# Allegro board 6089-119-RevA_41.brd (continued)
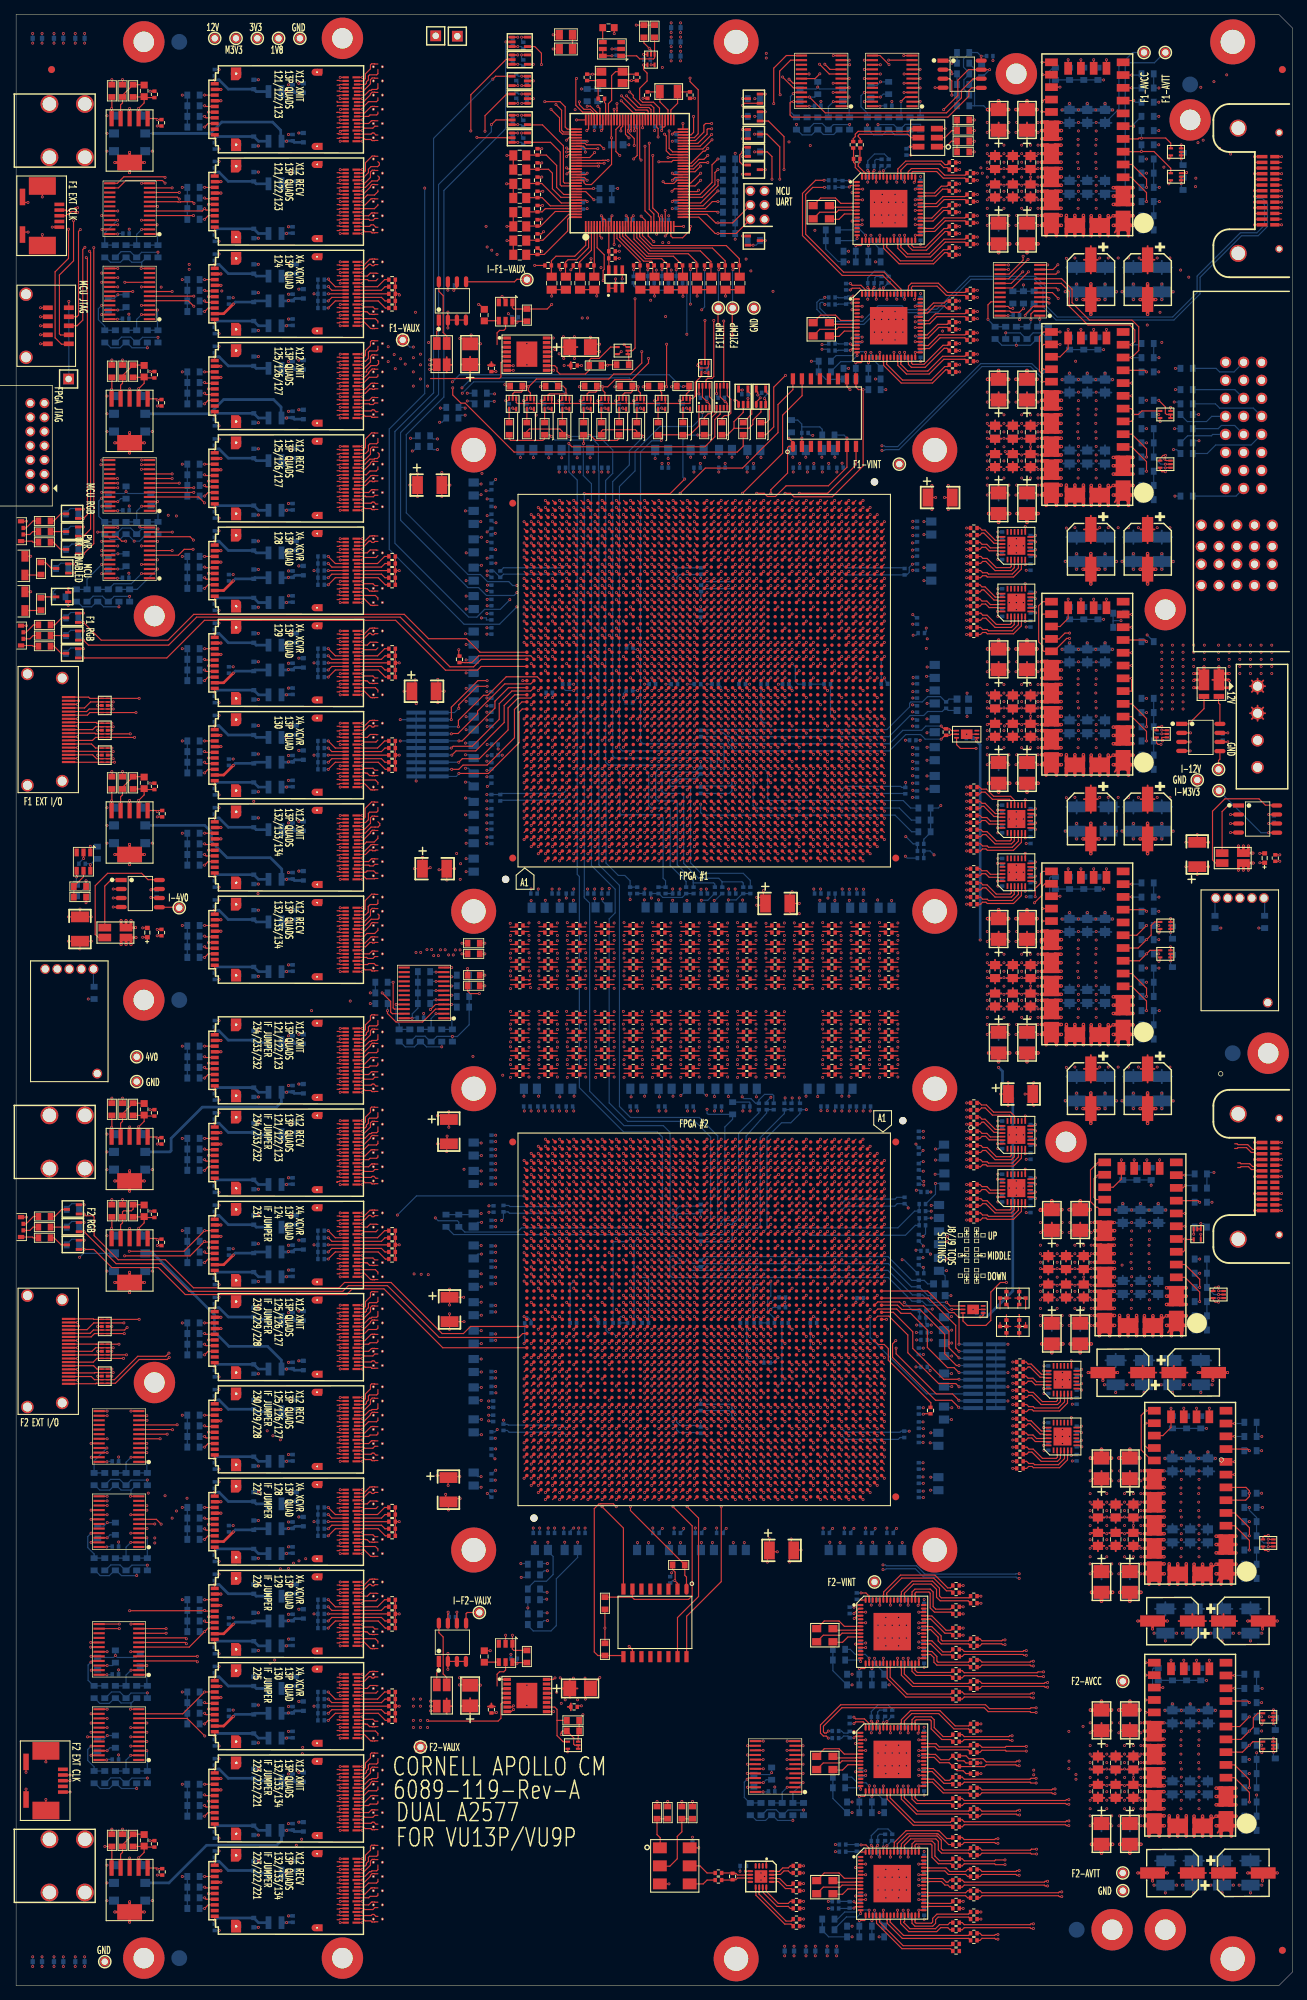
[diagram p0: board, top side]
## Routing (per net, layer and track width the routed paths; a pad name or vN(x,y) marks a point on that pad's centre or on a via; arc(x,y) is an arc through that point) (continued)
PMGT_SM_TO_F2_2: length 113.3
  TOP w0.165: 171.78,118.64 172.12,118.64 172.24,118.52 173.61,118.52 174.3,117.83 174.53,117.83 174.72,118.03 P3.4 ; U77.BF18 76.61,102.29
  SIG3 w0.083: 171.78,118.64 171.74,118.6 arc(171.51,118.45) 171.25,118.4 168.21,118.4 168.11,118.5 167.78,118.5 167.68,118.4 167.35,118.4 167.25,118.5 166.92,118.5 166.82,118.4 166.49,118.4 166.39,118.5 166.06,118.5 165.96,118.4 165.63,118.4 165.53,118.5 165.2,118.5 165.1,118.4 164.77,118.4 164.67,118.5 164.34,118.5 164.24,118.4 163.91,118.4 163.81,118.5 163.48,118.5 163.38,118.4 163.05,118.4 162.95,118.5 162.62,118.5 162.52,118.4 153.51,118.4 arc(152.48,118.2) 151.61,117.61 133.22,99.22 arc(132.87,98.98) 132.45,98.9 76.45,98.9 arc(76.27,98.97) 76.2,99.15 76.2,102.44 arc(76.27,102.62) 76.44,102.69 76.53,102.69 arc(76.58,102.66) 76.61,102.6 76.61,102.29
PTCDS_FROM_ZYNQ_A: length 106.3
  TOP w0.165: U75.BJ32 120.39,190.29 ; J8.8 141.4,98.36
  SIG4 w0.083: 120.39,190.29 120.39,190.6 arc(120.42,190.66) 120.47,190.69 120.56,190.69 arc(120.72,190.62) 120.79,190.45 120.79,190.1 arc(120.93,189.78) 121.25,189.64 123.05,189.64 arc(123.75,189.5) 124.35,189.1 132.06,181.39 arc(132.16,181.24) 132.2,181.06 132.2,160.53 arc(132.33,159.86) 132.71,159.29 134.19,157.81 arc(134.31,157.63) 134.35,157.42 134.35,102.75 arc(134.43,102.33) 134.67,101.98 138.57,98.08 arc(138.88,97.87) 139.25,97.8 140.21,97.8 arc(140.49,97.91) 140.6,98.19 140.6,98.27 arc(140.63,98.33) 140.69,98.36 141.4,98.36
PTCDS_FROM_ZYNQ_B: length 100.1
  TOP w0.165: U75.BJ20 120.39,177.51 ; J8.6 141.2,95.8 141.2,95.45
  SIG4 w0.083: 141.2,95.45 140.71,95.45 arc(140.65,95.47) 140.63,95.53 140.63,95.61 140.63,95.75 arc(140.44,96.21) 139.98,96.4 138.65,96.4 arc(138.05,96.52) 137.54,96.86 133.19,101.21 arc(132.61,102.09) 132.4,103.12 132.4,154.88 arc(131.97,157.02) 130.76,158.84 129.98,159.62 arc(129.41,160.47) 129.21,161.47 129.21,175.84 arc(129.07,176.53) 128.68,177.11 127.03,178.77 arc(126.66,179.01) 126.23,179.1 121.24,179.1 arc(121.19,179.09) 121.13,179.08 121.03,179.03 arc(120.95,178.99) 120.88,178.92 arc(120.82,178.8) 120.8,178.67 120.8,177.3 arc(120.79,177.26) 120.77,177.23 120.69,177.14 arc(120.65,177.12) 120.61,177.11 120.47,177.11 arc(120.42,177.14) 120.39,177.2 120.39,177.51
PTCDS_TO_ZYNQ_A: length 117.6
  TOP w0.165: 141.43,94.51 141.43,94.55 141.4,94.55 J9.8 ; U75.BJ37 120.39,195.29
  SIG4 w0.083: 141.43,94.51 141.43,94.55 140.7,94.55 arc(140.64,94.57) 140.62,94.63 140.62,94.8 arc(140.64,94.86) 140.7,94.88 141.55,94.88 arc(141.83,95) 141.95,95.28 141.95,96.9 arc(141.77,97.32) 141.35,97.5 138.65,97.5 arc(138.14,97.6) 137.71,97.89 134.1,101.5 arc(133.62,102.22) 133.45,103.07 133.45,154.93 arc(133.07,156.84) 131.99,158.45 131.97,158.47 arc(131.52,159.15) 131.36,159.96 131.36,180.12 arc(131.21,180.88) 130.78,181.52 125.84,186.46 125.84,186.61 125.61,186.84 125.45,186.84 125.22,187.08 125.22,187.23 124.99,187.46 124.84,187.46 124,188.3 arc(123.38,188.71) 122.65,188.86 120.3,188.86 arc(120.09,188.94) 120.01,189.15 120.01,195.47 arc(120.07,195.62) 120.23,195.69 120.31,195.69 arc(120.37,195.66) 120.39,195.6 120.39,195.29
PTCDS_TO_ZYNQ_B: length 105
  TOP w0.165: J9.6 141.4,91.44 ; U75.BJ15 120.39,172.51
  SIG4 w0.083: 120.39,172.51 120.39,172.2 arc(120.42,172.14) 120.47,172.11 120.56,172.11 arc(120.72,172.18) 120.79,172.35 120.79,175.73 arc(120.9,176) 121.17,176.11 121.54,176.11 arc(121.65,176.13) 121.75,176.2 arc(121.79,176.25) 121.8,176.31 121.8,177.64 arc(121.81,177.73) 121.84,177.81 arc(122.02,178.03) 122.3,178.11 123.13,178.11 arc(124.06,177.93) 124.85,177.4 126.54,175.71 arc(127.03,174.97) 127.2,174.11 127.2,123.7 arc(127.36,122.87) 127.83,122.17 129.37,120.63 arc(130.18,119.42) 130.46,118 130.46,102.76 arc(130.51,102.51) 130.65,102.3 134.99,97.96 arc(134.99,97.96) 134.99,97.96 135.22,97.73 arc(135.32,97.59) 135.38,97.43 135.75,95.73 arc(135.81,95.58) 135.9,95.45 138.62,92.73 arc(138.93,92.52) 139.29,92.45 140.05,92.45 arc(140.44,92.29) 140.6,91.9 140.6,91.53 arc(140.63,91.47) 140.69,91.44 141.4,91.44
PV_1V8_SENSE: length 95
  TOP w0.165: R78.1 v1(66.07,142.4) ; U108.21 v1(144.68,150.03)
  PWR3 w0.165: v1(144.68,150.03) 144.68,150.36 144.95,150.63 145.77,150.63 146.05,150.35 146.05,145.04 144.77,143.76 143.72,143.76 143.71,143.75 142.09,143.75 142.08,143.76 141.42,143.76 141.41,143.75 139.59,143.75 139.58,143.76 138.92,143.76 138.91,143.75 137.24,143.75 137.23,143.76 136.57,143.76 136.56,143.75 130.41,143.75 124.98,138.32 68.47,138.32 67.77,139.02 67.77,140.91 66.82,141.86 66.24,141.86 66.07,142.02 v1(66.07,142.4)
PV_3V3_SENSE: length 95.6
  TOP w0.165: U108.17 144.72,157.03 144.4,156.7 144.4,155.35 143.65,154.6 v1(143.65,153.45) ; R76.1 v1(66.07,146.9)
  PWR3 w0.165: v1(66.07,146.9) 66.07,146.52 66.24,146.36 67.88,146.36 69.02,145.22 69.02,140.07 69.52,139.57 124.13,139.57 135.76,151.2 140.41,151.2 141.61,152.41 142.01,152.41 142.63,153.02 143.22,153.02 v1(143.65,153.45)
PV_F1_AVCC_SENSE: length 126.2
  TOP w0.165: U105.17 v1(144.62,271.02)
  PWR3 w0.165: v1(144.62,271.02) 144.65,271.05 145.35,271.05 145.53,270.87 145.77,270.87 146.39,271.49 146.39,271.72 145.71,272.4 127.44,272.4 122.39,267.35 119.45,267.35 118.72,266.62 118.72,264.53 110,255.81 110,226.8 103.7,220.5 69.38,220.5 68.15,221.73 68.15,223.37 67.98,223.54 67.97,223.54 67.73,223.55 v1(67.4,223.25)
  BOTTOM w0.165: v1(67.4,223.25) 66.71,223.25 R474.1
PV_F1_AVTT_SENSE: length 121.4
  TOP w0.165: v1(144.6,264.07) 144.88,264.07 144.93,264.02 U105.21
  PWR3 w0.165: v1(144.6,264.07) 144.6,264.6 144.32,264.88 143.33,264.88 141.88,263.43 120.22,263.43 112,255.21 112,229.45 111.2,228.65 111.2,225.8 104.35,218.95 67.21,218.95 64.57,221.59 63.59,221.59 v1(63.3,221.3)
  BOTTOM w0.165: v1(63.3,221.3) 62.76,221.3 R481.1
PV_F1_INT_SENSE: length 164.2
  TOP w0.165: U106.21 v1(144.62,226.03) 144.62,227.12 144.25,227.5 144.25,232.4 144.88,233.03 U106.17 v1(147.15,233.03) ; U107.17 144.72,195.03 144.14,194.44 144.14,189.37 144.72,188.78 144.72,188.19 144.89,188.03 U107.21 146.28,188.03 148.1,189.85 v1(148.5,189.85)
  SIG1 w0.083: v1(148.5,189.85) 148.75,189.85 149.05,190.15 149.25,190.15 149.71,190.61 149.71,195.49 148.75,196.45 148.75,226.45 148.05,227.15 148.05,232.15 147.84,232.36 147.3,232.36 147.15,232.5 v1(147.15,233.03)
  PWR3 w0.165: v1(122.05,216.33) 121.66,216.33 121.54,216.45 67.9,216.45 65.55,218.8 63.44,218.8 61.59,216.95 59.57,216.95 59.4,216.78 v1(59.4,216.45)
  BOTTOM w0.165: v1(144.62,226.03) 144.62,226.53 143.83,227.32 143.83,227.36 143.7,227.48 143.67,227.48 143,228.15 136.14,228.15 124.44,216.45 122.51,216.45 122.39,216.33 v1(122.05,216.33) ; R487.1 58.81,216.45 v1(59.4,216.45)
PV_F2_AVCC_SENSE: length 110.6
  TOP w0.165: U118.17 v1(159.25,45.52)
  PWR3 w0.165: v1(74.85,55.45) 74.85,55.45 74.85,55.44 75.08,55.19 75.31,55.18 99.72,55.18 116.22,38.68 116.22,31.27 118.32,29.17 141.17,29.17 142.27,30.27 142.94,30.27 143.06,30.39 v1(143.45,30.39)
  PWR4 w0.165: v1(143.45,30.39) 147,33.94 147,36.49 155.37,44.86 159.08,44.86 159.25,45.02 v1(159.25,45.52)
  BOTTOM w0.165: v1(74.85,55.45) 74.31,55.45 R464.1
PV_F2_AVTT_SENSE: length 113.2
  TOP w0.165: U118.21 v1(159.25,38.52)
  PWR3 w0.165: v1(74.9,51.46) 74.9,51.45 75.23,51.81 75.46,51.82 83.89,51.82 100.26,35.45 104.94,35.45 107.45,32.94 107.45,27.06 111.13,23.38 139.03,23.38 143.23,27.58 145.22,27.58 146.87,29.23 148.89,29.23 149.01,29.11 v1(149.4,29.11)
  PWR4 w0.165: v1(159.25,38.52) 159.25,38.6 158.71,39.14 158.69,39.13 158.57,39.25 157.85,39.25 157.42,38.82 157.42,36.48 155.42,34.48 151.17,34.48 151,34.31 151,29.87 150.36,29.23 149.91,29.23 149.79,29.11 v1(149.4,29.11)
  BOTTOM w0.165: R467.1 74.42,51.46 v1(74.9,51.46)
PV_F2_INT_SENSE: length 159.9
  TOP w0.165: v1(152.22,115.75) 152.25,115.75 ; 152.25,115.75 152.52,116.03 U109.17 ; 152.25,115.75 151.45,114.95 151.45,110.5 152.26,109.69 152.46,109.69 153.13,109.03 U109.21 ; U117.17 v1(159.25,81.03) 158.6,80.38 158.6,75.5 160.08,74.03 U117.21
  SIG2 w0.083: v1(159.25,81.03) 159.25,80.34 159.16,80.25 158.95,80.25 158.21,80.99 158.21,85.79 153.66,90.34 153.66,115.05 153.45,115.26 152.85,115.26 152.36,115.75 v1(152.22,115.75)
  PWR3 w0.165: v1(122.2,59.31) 121.81,59.31 121.69,59.18 75.22,59.18 v1(74.9,59.5) ; v1(159.25,81.03) 159.25,80.85 158.7,80.3 156,80.3 150.35,74.65 150.35,65.65 142.65,57.95 142,57.95 141.89,58.06 v1(141.4,58.06)
  BOTTOM w0.165: v1(141.4,58.06) 140.96,58.06 140.92,58.02 128.1,58.02 126.93,59.18 122.66,59.18 122.54,59.31 v1(122.2,59.31) ; v1(74.9,59.5) 73.96,59.5 R462.1
PXTAL_R0A: length 4
  TOP w0.165: X3.1 114.87,250.61 117.82,250.61 117.86,250.65 U86.8
PXTAL_R0B: length 4
  TOP w0.165: U87.8 117.86,234.15 117.82,234.11 114.87,234.11 X4.1
PXTAL_R1A: length 4
  TOP w0.165: X7.1 115.37,14.61 118.32,14.61 118.36,14.65 U91.8
PXTAL_R1B: length 4
  TOP w0.165: X6.1 115.37,32.11 118.32,32.11 118.36,32.15 U90.8
PXTAL_R1C: length 4
  TOP w0.165: U89.8 118.36,50.15 118.32,50.11 115.37,50.11 X5.1
SM_CPLD_GPIO0: length 108.9
  TOP w0.165: U68.40 96.7,252 98.51,253.81 98.51,255.49 v1(98.93,255.9)
  SIG3 w0.079: v1(166.3,254.7) 159.56,254.7 158.66,255.6 136.64,255.6 136.44,255.8 136.17,255.8 136.15,255.78 135.85,255.78 135.83,255.8 133.43,255.8 133.16,255.53 132.85,255.53 132.73,255.65 123.45,255.65 122.99,255.19 120.01,255.19 118.85,256.35 99.38,256.35 v1(98.93,255.9)
  SIG4 w0.079: v1(166.3,254.7) 166.3,254.55 163.65,251.9 163.65,228.2 163.8,228.05 163.8,227.75 163.65,227.6 163.65,225.12 v1(163.43,224.9)
  BOTTOM w0.165: R414.1 v1(98.93,255.9) ; R186.2 v1(163.43,224.9)
SM_CPLD_GPIO1: length 102.2
  TOP w0.165: v1(98.93,257.4) 98.1,256.57 98.1,254.1 96.4,252.4 U68.41
  SIG3 w0.079: v1(161.8,256.25) 159.75,256.25 158.6,257.4 v1(98.93,257.4)
  SIG4 w0.079: v1(163.43,227.9) 162.75,228.58 162.75,239.25 161.8,240.2 v1(161.8,256.25)
  BOTTOM w0.165: R413.1 v1(98.93,257.4) ; R185.2 v1(163.43,227.9)
SM_IPMC_I2C_SCL: length 119
  TOP w0.165: v1(82,264.83) 82.3,264.53 U68.91
  SIG2 w0.079: v1(85.05,245.15) 85.05,253.01 85.14,253.11 85.14,257.16 82,260.3 v1(82,264.83)
  SIG3 w0.079: v1(85.05,245.15) 89.9,245.15 90.8,246.05 92.09,246.05 97.79,240.35 124.9,240.35 129.72,235.53 135.66,235.53 135.88,235.75 143.9,235.75 147.4,232.25 152.8,232.25 161.38,223.67 P1.22
  BOTTOM w0.165: R457.1 v1(82,264.83)
SM_IPMC_I2C_SDA: length 134.1
  TOP w0.165: U68.92 81.9,263.9 80.95,264.85 80.52,264.85 v1(80.5,264.83)
  SIG1 w0.079: v1(80.5,264.83) 83.55,267.87 114.85,267.87 115.02,267.71 115.32,267.71 115.49,267.87 124.85,267.87 125.87,266.85 157,266.85 158.68,265.17 158.68,265.12 164.04,259.76 164.4,259.76 164.62,259.54 164.62,259.18 165.9,257.9 165.9,254.87 165.89,254.87 165.89,254.53 165.9,254.53 165.9,253.72 165.84,253.67 165.84,253.33 165.9,253.28 165.9,236.65 171.72,230.83 171.72,225.63 172.45,224.9 174.34,224.9 P1.6
  BOTTOM w0.165: R458.1 v1(80.5,264.83)
SM_IPMC_RX: length 113.1
  TOP w0.165: U68.38 96.5,251.2 98.95,253.65 98.95,254.38 v1(98.93,254.4)
  SIG3 w0.079: v1(166.25,253.5) 161.8,253.5 161.05,254.25 135.88,254.25 135.66,254.03 133.92,254.03 133.47,254.48 120.2,254.48 120.19,254.49 119.91,254.49 119.9,254.48 117.92,254.48 117.5,254.9 107.82,254.9 107.8,254.92 107.5,254.92 107.48,254.9 106.72,254.9 106.7,254.92 106.4,254.92 106.38,254.9 99.43,254.9 v1(98.93,254.4)
  SIG4 w0.079: v1(166.25,253.5) 166.25,223.05 167.2,222.1 167.2,218.15 v1(166.75,217.7)
  BOTTOM w0.165: v1(166.75,217.7) 166.16,217.7 R190.2 ; R415.1 v1(98.93,254.4)
SM_IPMC_TX: length 103.3
  TOP w0.165: v1(98.93,252.9) 96.83,250.8 U68.37
  SIG3 w0.079: v1(98.93,252.9) 100.06,251.76 107.54,251.76 108.75,250.55 128.6,250.55 131.7,247.45 157.34,247.45 163.04,241.75 v1(164.15,241.75)
  SIG4 w0.079: v1(163.15,216.45) 164.15,217.45 v1(164.15,241.75)
  BOTTOM w0.165: R191.2 163.59,216.45 v1(163.15,216.45) ; R416.1 v1(98.93,252.9)
SM_JTAG_TCK: length 103.8
  TOP w0.165: U62.2 80.5,224.3 80.75,224.55 81.7,224.55 81.86,224.72 R105.2 82.6,225.4 v1(82.7,225.3) ; v1(89.15,229.3) 89.15,228.65 86.8,226.3 84.4,226.3 83.4,225.3 v1(82.7,225.3) ; v1(82.7,225.3) 82.7,224.8 83,224.5 U63.2
  SIG3 w0.079: v1(89.15,229.3) 89.8,229.95 102.85,229.95 113.95,218.85 115.45,218.85 122.45,211.85 168.83,211.85 P1.18
SM_JTAG_TDI: length 94
  TOP w0.165: U73.2 91,224.5 90.85,224.65 90.85,225.39 R123.2 91.6,225.4 v1(91.7,225.3) v1(91.7,231.3)
  SIG3 w0.079: v1(91.7,231.3) 91.9,231.5 102.95,231.5 113.6,220.85 131.25,220.85 134.7,217.4 139.7,217.4 141.05,216.05 P1.19
SM_JTAG_TDO: length 81.8
  TOP w0.165: R138.2 105.69,218.54 106.8,219.65 106.8,225.25 v1(108.45,226.9)
  SIG3 w0.079: P1.3 174.56,217.06 169.79,217.06 165.04,221.81 113.54,221.81 v1(108.45,226.9)
SM_JTAG_TMS: length 121.1
  TOP w0.165: v1(88.2,230.25) 88.2,228.65 86.65,227.1 84.25,227.1 83.55,226.4 73.35,226.4 72.25,225.3 v1(72.2,225.3) ; v1(72.2,225.3) 72.1,225.4 R81.2 71.36,224.72 71.2,224.55 70.25,224.55 70,224.3 U49.2 ; v1(72.2,225.3) 72.2,224.75 72.5,224.45 U58.2
  SIG3 w0.079: P1.2 175.54,213.51 174.3,214.75 169.45,214.75 167.05,212.35 154.1,212.35 153.5,212.95 123.15,212.95 116.3,219.8 113.8,219.8 103.05,230.55 88.5,230.55 v1(88.2,230.25)
SM_SOFT_PWR_EN: length 94.1
  TOP w0.165: U68.30 91.9,246.95 v1(91.5,246.55)
  SIG3 w0.079: P1.7 174.38,227.4 162.3,227.4 151.5,238.2 135.73,238.2 135.66,238.27 135.35,238.27 135.28,238.2 129.75,238.2 125.8,242.15 101.21,242.15 96.81,246.55 v1(91.5,246.55)
SM_TO_CM_PWR_EN: length 135.1
  TOP w0.165: U70.2 89.5,272.75 v1(89.25,273) 88.5,273.75 R120.1
  SIG4 w0.079: v1(89.25,273) 90.55,271.7 104.2,271.7 105.45,272.95 144.15,272.95 158.15,258.95 163.9,258.95 168.55,254.3 168.55,212.85 170.43,210.97 P1.17
SM_ZYNQ_GPIO1: length 134.6
  TOP w0.165: U68.25 89.9,249.65 89.25,250.3 v1(89.25,259.63)
  SIG1 w0.079: v1(163.35,209.9) 163.35,214.85 163.78,215.28 163.78,224.73 163.8,224.75 163.8,225.05 163.78,225.07 163.78,227.73 163.8,227.75 163.8,228.05 163.78,228.07 163.78,249.62 159.33,254.07 158.98,254.07 149.52,263.53 135.08,263.53 134.45,262.9 95.3,262.9 92.8,260.4 91.45,260.4 90.68,259.63 v1(89.25,259.63)
  BOTTOM w0.165: R192.2 v1(163.35,209.9)
SM_ZYNQ_GPIO2: length 123.4
  TOP w0.165: v1(88.65,259.2) 88.65,250.1 89.5,249.25 U68.24
  SIG1 w0.079: v1(163.3,219.4) 162.4,220.3 162.4,222.25 162.4,222.26 162.4,222.54 162.4,222.55 162.4,243.21 162.31,243.31 162.31,243.59 162.4,243.69 162.4,249.05 152.44,259.01 151.54,259.01 148.6,261.95 131.72,261.95 131.1,261.33 110.12,261.33 109.45,262 98.22,262 98.2,262.02 97.9,262.02 97.88,262 96.55,262 93.75,259.2 v1(88.65,259.2)
  BOTTOM w0.165: R189.2 v1(163.3,219.4)
SM_ZYNQ_I2C_SCL: length 91.6
  TOP w0.165: v1(98.93,249.9) 98.83,250 U68.35
  SIG3 w0.079: v1(98.93,249.9) 98.93,249.07 104.7,243.3 126.6,243.3 130.59,239.31 146.73,239.31 146.75,239.32 147.05,239.32 147.07,239.31 152.49,239.31 161.6,230.2 174.05,230.2 175.5,228.75 P1.8
  BOTTOM w0.165: R418.1 v1(98.93,249.9)
SM_ZYNQ_I2C_SDA: length 91.1
  TOP w0.165: v1(98.93,251.4) 98.15,251.4 97.15,250.4 U68.36
  SIG3 w0.079: v1(103.58,241.62) 104.3,240.9 125.8,240.9 129.8,236.9 144.8,236.9 147.7,234 153.55,234 153.83,233.72 153.84,233.72 154.04,233.52 154.04,233.51 161.34,226.21 P1.23
  SIG4 w0.079: v1(103.58,241.62) 99.65,245.55 99.65,250.68 v1(98.93,251.4)
  BOTTOM w0.165: R417.1 v1(98.93,251.4)
SM_ZYNQ_RX: length 98.5
  TOP w0.165: U68.34 97.4,249.6 98.6,248.4 v1(98.93,248.4) 101,248.4 J7.4
  SIG3 w0.079: v1(165.3,240.75) 160.25,240.75 155.05,245.95 130.3,245.95 128.45,247.8 109.05,247.8 107.09,249.76 104.64,249.76 J7.4
  SIG4 w0.079: v1(166.7,221.4) 165.3,222.8 v1(165.3,240.75)
  BOTTOM w0.165: R188.2 v1(166.7,221.4) ; R419.1 v1(98.93,248.4)
SM_ZYNQ_TX: length 90.3
  TOP w0.165: J7.2 101.5,246.9 v1(98.93,246.9) 98.55,246.9 96.25,249.2 U68.33
  SIG3 w0.079: J7.2 106.69,245.71 127.64,245.71 127.65,245.7 128.45,245.7 129.5,244.65 132.73,244.65 132.85,244.53 133.16,244.53 133.28,244.65 153.42,244.65 158.8,239.27 158.8,238.25 v1(161.25,235.8)
  SIG4 w0.079: v1(161.25,235.8) 162.2,234.85 162.2,224.2 v1(163.25,223.15)
  BOTTOM w0.165: v1(163.25,223.15) 163.89,223.15 R187.2 ; R420.1 v1(98.93,246.9)
SPARE_GPIO0: length 26.4
  TOP w0.165: v1(77.6,256.15) 77.75,256 U68.111
  SIG2 w0.079: v1(77.6,256.15) 62.2,271.55 TP3.1
SPARE_GPIO1: length 30.4
  TOP w0.165: v1(77.65,255.3) 77.95,255.6 U68.112
  SIG2 w0.079: TP2.1 59.15,270.75 74.6,255.3 v1(77.65,255.3)
SYN_R0A_IN_SEL0: length 20.8
  TOP w0.165: 120.7,270.68 v1(121.83,270.68) ; U86.3 v1(119.34,253.15)
  SIG4 w0.079: v1(119.34,253.15) 119,253.49 119,267.05 120.05,268.1 120.05,268.89 v1(121.83,270.68)
SYN_R0A_IN_SEL1: length 19.9
  TOP w0.165: U88.16 v1(119.57,270.02) ; U86.4 v1(117.84,252.65)
  SIG4 w0.079: v1(117.84,252.65) 118.15,252.96 118.15,267.85 119.57,269.27 v1(119.57,270.02)
SYN_R0B_IN_SEL0: length 36.9
  TOP w0.165: U87.3 v1(119.26,236.65) ; U88.17 v1(121.83,269.38)
  SIG4 w0.079: v1(119.26,236.65) 119.26,239.61 123.4,243.75 123.4,264.2 122.75,264.85 122.75,268.46 v1(121.83,269.38)
SYN_R0B_IN_SEL1: length 36
  TOP w0.165: U88.18 v1(119.57,268.73) ; U87.4 v1(117.84,236.15)
  SIG2 w0.079: v1(119.57,268.73) 118.5,267.66 118.5,265.15 116.8,263.45 116.8,237.19 v1(117.84,236.15)
SYN_R1A_IN_SEL0: length 25.6
  TOP w0.165: U83.15 v1(105.3,33.17) ; U91.3 v1(119.76,17.15)
  SIG1 w0.079: v1(119.76,17.15) 119.76,17.44 118.75,18.45 118.75,18.79 118.74,18.8 118.74,19.1 118.75,19.11 118.75,19.69 118.74,19.7 118.74,20 118.75,20.01 118.75,22.65 108.8,32.6 105.88,32.6 v1(105.3,33.17)
SYN_R1A_IN_SEL1: length 24.9
  TOP w0.165: U91.4 v1(118.34,16.65) ; U83.16 v1(103.1,32.52)
  SIG1 w0.079: v1(118.34,16.65) 116.78,16.65 104.05,29.38 104.05,31.4 103.1,32.35 v1(103.1,32.52)
SYN_R1B_IN_SEL0: length 17.4
  TOP w0.165: U83.17 v1(105.3,31.88) ; U90.3 v1(119.76,34.65)
  SIG3 w0.079: v1(105.3,31.88) 105.83,32.4 110.2,32.4 110.85,33.05 118.16,33.05 v1(119.76,34.65)
SYN_R1B_IN_SEL1: length 18.3
  TOP w0.165: U83.18 v1(103.1,31.23) ; U90.4 v1(118.34,34.15)
  SIG3 w0.079: v1(103.1,31.23) 104.67,32.8 109.4,32.8 110.05,33.45 117.64,33.45 v1(118.34,34.15)
SYN_R1C_IN_SEL0: length 29.9
  TOP w0.165: U89.3 v1(119.76,52.65) ; U83.19 v1(105.33,30.57)
  SIG2 w0.079: v1(119.76,52.65) 119.76,52.61 119.25,52.1 119.25,50.4 106.7,37.85 106.7,31.94 v1(105.33,30.57)
SYN_R1C_IN_SEL1: length 30.3
  TOP w0.165: v1(118.15,51.75) 118.55,52.15 U89.4 ; U83.20 v1(103.07,29.93)
  SIG2 w0.079: v1(103.07,29.93) 104.55,31.41 104.55,37.35 118.15,50.95 v1(118.15,51.75)
TM4C_VDDC: length 13.8
  TOP w0.165: U68.87 83.9,260.42 v1(83.94,260.39) 83.94,256.64 81.1,253.8 80.3,253.8 80.05,254.05 80.05,254.3 79.95,254.4 U68.115
  BOTTOM w0.165: C930.1 v1(83.94,260.39)
V_1V8: length 458.7
  TOP w0.165: U77.AM34 v1(90.61,85.51) ; v1(77.5,222.3) 77.64,222.16 U60.5 ; U89.33 127.26,46.15 v1(127.25,46.16) U89.32 ; U77.AY24 v1(82.61,96.29) ; U63.5 83.14,222.16 v1(83,222.3) ; U77.F26 v1(117.39,94.29) ; U91.36 v1(127.24,12.15) ; U77.L31 v1(112.39,88.51) ; v1(126.6,254.11) 126.6,254.15 126.75,254.3 U86.49 ; U85.2 v1(110.77,218.07) ; U77.AN35 v1(89.61,84.51) ; U77.AK34 v1(92.61,85.51) ; U75.AN37 v1(104.39,195.29) ; U77.AP34 v1(88.61,85.51) ; U52.5 v1(70.72,267.74) ; U77.BC25 v1(79.61,95.29) ; U77.M28 v1(111.39,91.51) ; U75.AP34 v1(105.39,192.29) ; U77.Y36 v1(103.39,83.51) ; U77.BK24 v1(72.61,96.29) ; U75.K24 v1(80.61,181.51) ; U75.M18 v1(82.61,175.51) ; U75.AN35 v1(104.39,193.29) ; U104.6 v1(148.75,74.74) ; U75.T36 v1(86.61,194.29) ; U90.22 v1(122.25,28.16) ; U77.AU33 v1(85.61,86.51) ; v1(91,222.3) 91.14,222.16 U73.5 ; U54.1 v1(70.72,263.56) ; U74.5 94.64,222.16 v1(94.5,222.3) ; U91.32 v1(127.25,10.66) 127.26,10.65 U91.33 ; U86.52 v1(125.25,254.14) ; U87.36 v1(126.74,231.65) ; U87.29 v1(125.25,230.16) ; U77.BJ27 v1(73.61,92.51) ; U77.AF34 v1(97.39,85.51) ; U90.43 v1(127.24,33.15) ; U75.AJ13 v1(100.39,170.51) ; U89.40 v1(127.24,49.65) ; U75.AM34 v1(103.39,192.29) ; U89.29 v1(125.75,46.16) ; U87.52 v1(125.25,237.64) ; U75.AJ37 v1(100.39,195.29) ; U75.BG23 v1(118.39,180.51) ; U62.5 80.64,222.16 v1(80.5,222.3) ; U75.N25 v1(83.61,182.51) ; U72.2 93.23,56.72 v1(92.85,57.1) 92.9,57.15 92.9,58.3 92.54,58.66 R126.1 ; U75.J17 v1(79.61,174.51) ; v1(70,222.3) 70.14,222.16 U49.5 ; U87.60 v1(121.25,237.64) ; U75.AK34 v1(101.39,192.29) ; U77.T14 v1(107.39,106.29) ; U75.AE37 v1(95.61,195.29) ; U77.BD22 v1(78.61,98.29) ; U89.36 v1(127.24,47.65) ; U87.57 v1(122.75,237.64) ; U77.V20 v1(105.39,100.29) ; U75.BA21 v1(112.39,178.51) ; U75.T14 v1(86.61,171.51) ; U90.57 v1(123.25,35.64) ; U77.AG35 v1(95.61,84.51) ; U53.5 v1(70.72,265.24) ; U77.T36 v1(107.39,83.51) ; v1(74.1,244.4) 74,244.4 73.55,244.85 R92.1 ; U77.BF26 v1(76.61,94.29) ; U99.24 v1(138.34,155.65) ; U75.AV30 v1(109.39,188.29) ; U91.22 v1(122.25,10.66) ; U77.AJ35 v1(93.61,84.51) ; U75.AF38 v1(97.39,196.29) ; U75.AR19 v1(106.39,176.51) ; U75.AT16 v1(107.39,173.51) ; U77.AA35 v1(102.39,84.51) ; U77.AE37 v1(98.39,82.51) ; U77.AB34 v1(101.39,85.51) ; U76.8 v1(96.25,224.3) ; U77.AD38 v1(99.39,81.51) ; U77.AW17 v1(83.61,103.29) ; R143.1 v1(135.07,259.9) ; U75.AY34 v1(111.39,192.29) ; U77.BB28 v1(80.61,91.51) ; U75.BC35 v1(114.39,193.29) ; U97.24 v1(138.34,193.65) ; U75.E29 v1(75.61,187.29) ; U91.46 v1(127.24,17.15) ; U77.AF36 v1(97.39,83.51) ; U75.BJ27 v1(120.39,185.29) ; U86.57 v1(122.75,254.14) ; U79.8 v1(98.75,224.34) ; U77.D22 v1(119.39,98.29) ; U69.5 88.14,222.16 v1(88,222.3) ; U77.N35 v1(110.39,84.51) ; U89.49 127.25,53.7 v1(127.15,53.6) ; U77.K24 v1(113.39,96.29) ; U75.AB36 v1(92.61,194.29) ; U96.6 v1(142.25,200.24) ; U75.AG39 v1(98.39,197.29) ; U103.19 v1(144.84,86.65) ; U67.5 85.64,222.16 v1(85.5,222.3) ; U89.26 v1(124.25,46.16) ; U77.W37 v1(104.39,82.51) ; U75.Y36 v1(90.61,194.29) ; U77.AT16 v1(86.61,104.29) ; U77.J37 v1(114.39,82.51) ; U90.46 v1(127.24,34.65) ; U77.E29 v1(118.39,90.51) ; U77.K34 v1(113.39,85.51) ; U81.1 104.34,223.16 104.85,223.67 104.85,223.74 v1(104.89,223.74) ; U75.AW37 v1(110.39,195.29) ; U87.43 v1(126.74,235.15) ; R110.1 v1(93.85,25.97) ; U75.BF26 v1(117.39,184.29) ; U90.49 127.25,35.7 v1(127.15,35.6) ; U75.AA37 v1(91.61,195.29) ; U77.N25 v1(110.39,95.29) ; U99.6 v1(142.25,154.24) ; v1(62.4,188.25) 62.4,187.45 R75.2 ; U77.M18 v1(111.39,102.29) ; U77.AA37 v1(102.39,82.51) ; U101.6 v1(142.25,109.74) ; U75.W37 v1(89.61,195.29) ; U75.AY24 v1(111.39,181.51) ; U77.BE29 v1(77.61,90.51) ; U75.AA35 v1(91.61,193.29) ; U77.R29 v1(108.39,90.51) ; U77.T26 v1(107.39,94.29) ; U77.AE35 v1(98.39,84.51) ; U75.AL35 v1(102.39,193.29) ; U103.6 v1(148.75,82.74) ; U89.57 v1(123.25,53.64) ; U77.AL37 v1(91.61,82.51) ; U89.52 v1(125.75,53.64) ; U86.32 v1(126.75,246.66) 126.76,246.65 U86.33 ; U75.Y34 v1(90.61,192.29) ; U75.BC15 v1(114.39,172.51) ; U87.26 v1(123.75,230.16) ; U75.AC37 v1(93.61,195.29) ; U75.BE29 v1(116.39,187.29) ; U77.C25 v1(120.39,95.29) ; U77.AY34 v1(82.61,85.51) ; U77.BH30 v1(74.61,89.51) ; U82.5 v1(102.79,16.15) ; U75.BB18 v1(113.39,175.51) ; U77.BA21 v1(81.61,99.29) ; v1(101.32,223.4) 101.6,223.4 101.84,223.16 U80.1 ; U75.AH34 v1(99.39,192.29) ; U89.46 v1(127.24,52.65) ; U75.AM36 v1(103.39,194.29) ; v1(72.5,222.3) 72.64,222.16 U58.5 ; U75.F26 v1(76.61,184.29) ; U75.BB28 v1(113.39,186.29) ; U86.26 v1(123.75,246.66) ; U59.5 75.14,222.16 v1(75,222.3) ; U75.AT36 v1(107.39,194.29) ; U75.L21 v1(81.61,178.51) ; U90.60 v1(121.75,35.64) ; U90.40 v1(127.24,31.65) ; U77.AD36 v1(99.39,83.51) ; U87.22 v1(121.75,230.16) ; U91.49 v1(127.25,19.56) ; U75.AD36 v1(94.61,194.29) ; U75.AG37 v1(98.39,195.29) ; U50.1 v1(70.72,274.56) ; U77.AV20 v1(84.61,100.29) ; U77.BB18 v1(80.61,102.29) ; U75.P22 v1(84.61,179.51) ; U77.BC15 v1(79.61,105.29) ; U77.U33 v1(106.39,86.51) ; U90.29 v1(125.75,28.16) ; U98.24 v1(138.34,163.15) ; U75.T16 v1(86.61,173.51) ; U77.BD32 v1(78.61,87.51) ; R114.1 v1(83,50.4) R113.1 ; U77.B28 v1(121.39,91.51) ; U77.AG39 v1(95.61,80.51) ; U75.J27 v1(79.61,185.29) ; U89.22 v1(122.25,46.16) ; U75.AE35 v1(95.61,193.29) ; R112.1 v1(90.35,25.97) ; U77.BA31 v1(81.61,88.51) ; U77.J27 v1(114.39,92.51) ; U90.26 v1(124.25,28.16) ; U90.32 v1(127.25,28.16) 127.26,28.15 U90.33 ; U77.AJ37 v1(93.61,82.51) ; U77.AB36 v1(101.39,83.51) ; U75.AW27 v1(110.39,185.29) ; U71.6 v1(96.23,19.44) ; U75.J37 v1(79.61,195.29) ; U75.AD38 v1(94.61,196.29) ; U77.AT36 v1(86.61,83.51) ; U75.B28 v1(72.61,186.29) ; U98.19 v1(138.34,165.65) ; U90.52 v1(125.75,35.64) ; U103.24 v1(144.84,84.15) ; U75.V20 v1(88.61,177.51) ; U75.AU33 v1(108.39,191.29) ; U75.BA31 v1(112.39,189.29) ; 54.7,136.32 v1(55.83,136.32) ; U77.N15 v1(110.39,105.29) ; U86.40 v1(126.74,250.15) ; U87.32 v1(126.75,230.16) 126.76,230.15 U87.33 ; U77.AK36 v1(92.61,83.51) ; U75.P32 v1(84.61,190.29) ; U86.60 v1(121.25,254.14) ; U75.AL37 v1(102.39,195.29) ; U77.T16 v1(107.39,104.29) ; U91.60 v1(121.75,18.14) ; R141.1 v1(135.07,262.9) ; U86.43 v1(126.74,251.65) ; U55.1 v1(70.72,261.06) ; U89.60 v1(121.75,53.64) ; U77.W35 v1(104.39,84.51) ; U75.AE39 v1(95.61,197.29) ; U96.24 v1(138.34,201.65) ; U77.AV30 v1(84.61,89.51) ; U75.AW17 v1(110.39,174.51) ; U77.AC35 v1(100.39,84.51) ; U77.AD34 v1(99.39,85.51) ; U75.AH36 v1(99.39,194.29) ; U77.AH38 v1(94.61,81.51) ; U77.AH34 v1(94.61,85.51) ; U75.K34 v1(80.61,192.29) ; U75.U33 v1(87.61,191.29) ; U75.R19 v1(85.61,176.51) ; U77.J17 v1(114.39,103.29) ; U75.W35 v1(89.61,193.29) ; U100.24 v1(138.34,118.65) ; U51.1 v1(70.72,272.06) ; U104.24 v1(144.84,76.15) ; U91.52 v1(125.75,18.14) ; U75.AH38 v1(99.39,196.29) ; U75.D22 v1(74.61,179.51) ; U75.N15 v1(83.61,172.51) ; U77.P32 v1(109.39,87.51) ; U77.AP36 v1(88.61,83.51) ; R78.2 v1(63.64,143.34) ; U104.19 v1(144.84,78.65) ; U77.AC37 v1(100.39,82.51) ; U98.6 v1(142.25,161.74) ; U92.6 v1(126.05,259.13) ; U75.BD22 v1(115.39,179.51) ; U91.57 v1(123.25,18.14) ; U99.19 v1(138.34,158.15) ; U77.BC35 v1(79.61,84.51) ; U75.AF36 v1(97.39,194.29) ; v1(97.1,227.3) 97.19,227.21 U78.5 ; U77.Y34 v1(103.39,85.51) ; U87.49 126.75,237.75 126.65,237.65 v1(126.65,237.61) ; U91.40 v1(127.24,14.15) ; U77.AL35 v1(91.61,84.51) ; U90.36 v1(127.24,29.65) ; U75.BC25 v1(114.39,182.51) ; U97.19 v1(138.34,196.15) ; U86.46 v1(126.74,253.15) ; U91.43 v1(127.24,15.65) ; U75.AF34 v1(97.39,192.29) ; U86.36 v1(126.74,248.15) ; U75.C25 v1(73.61,182.51) ; U75.BH30 v1(119.39,188.29) ; U77.AW37 v1(83.61,82.51) ; U75.AP36 v1(105.39,194.29) ; U75.N35 v1(83.61,193.29) ; U77.AM36 v1(90.61,83.51) ; U100.6 v1(142.25,117.24) ; U75.L31 v1(81.61,189.29) ; U77.P22 v1(109.39,98.29) ; U75.AJ35 v1(100.39,193.29) ; U75.BD32 v1(115.39,190.29) ; U87.46 v1(126.74,236.65) ; U97.6 v1(142.25,192.24) ; U101.19 v1(138.34,113.65) ; U91.29 v1(125.75,10.66) ; U75.AK36 v1(101.39,194.29) ; U75.G23 v1(77.61,180.51) ; U75.AB34 v1(92.61,192.29) ; U75.T26 v1(86.61,184.29) ; U77.AW27 v1(83.61,92.51) ; U101.24 v1(138.34,111.15) ; U77.AH36 v1(94.61,83.51) ; U75.AC35 v1(93.61,193.29) ; U77.R19 v1(108.39,101.29) ; U86.29 v1(125.25,246.66) ; U75.R29 v1(85.61,187.29) ; U86.22 v1(121.75,246.66) ; U77.AF38 v1(97.39,81.51) ; U75.BK24 v1(121.39,181.51) ; U77.AG37 v1(95.61,82.51) ; U75.AG35 v1(98.39,193.29) ; U75.M28 v1(82.61,186.29) ; U96.19 v1(138.34,204.15) ; U77.AN37 v1(89.61,82.51) ; U75.AD34 v1(94.61,192.29) ; U77.G23 v1(116.39,97.29) ; U77.AJ13 v1(93.61,107.29) ; U77.AE39 v1(98.39,80.51) ; U87.40 v1(126.74,233.65) ; U77.L21 v1(112.39,99.29) ; U100.19 v1(138.34,121.15) ; U91.26 v1(124.25,10.66) ; U77.AR19 v1(87.61,101.29) ; U75.AV20 v1(109.39,177.51) ; U77.BG23 v1(75.61,97.29) ; U89.43 v1(127.24,51.15)